# Altium PCB KlusterLab r2.0.PcbDoc (part 1 of 22) (continued)
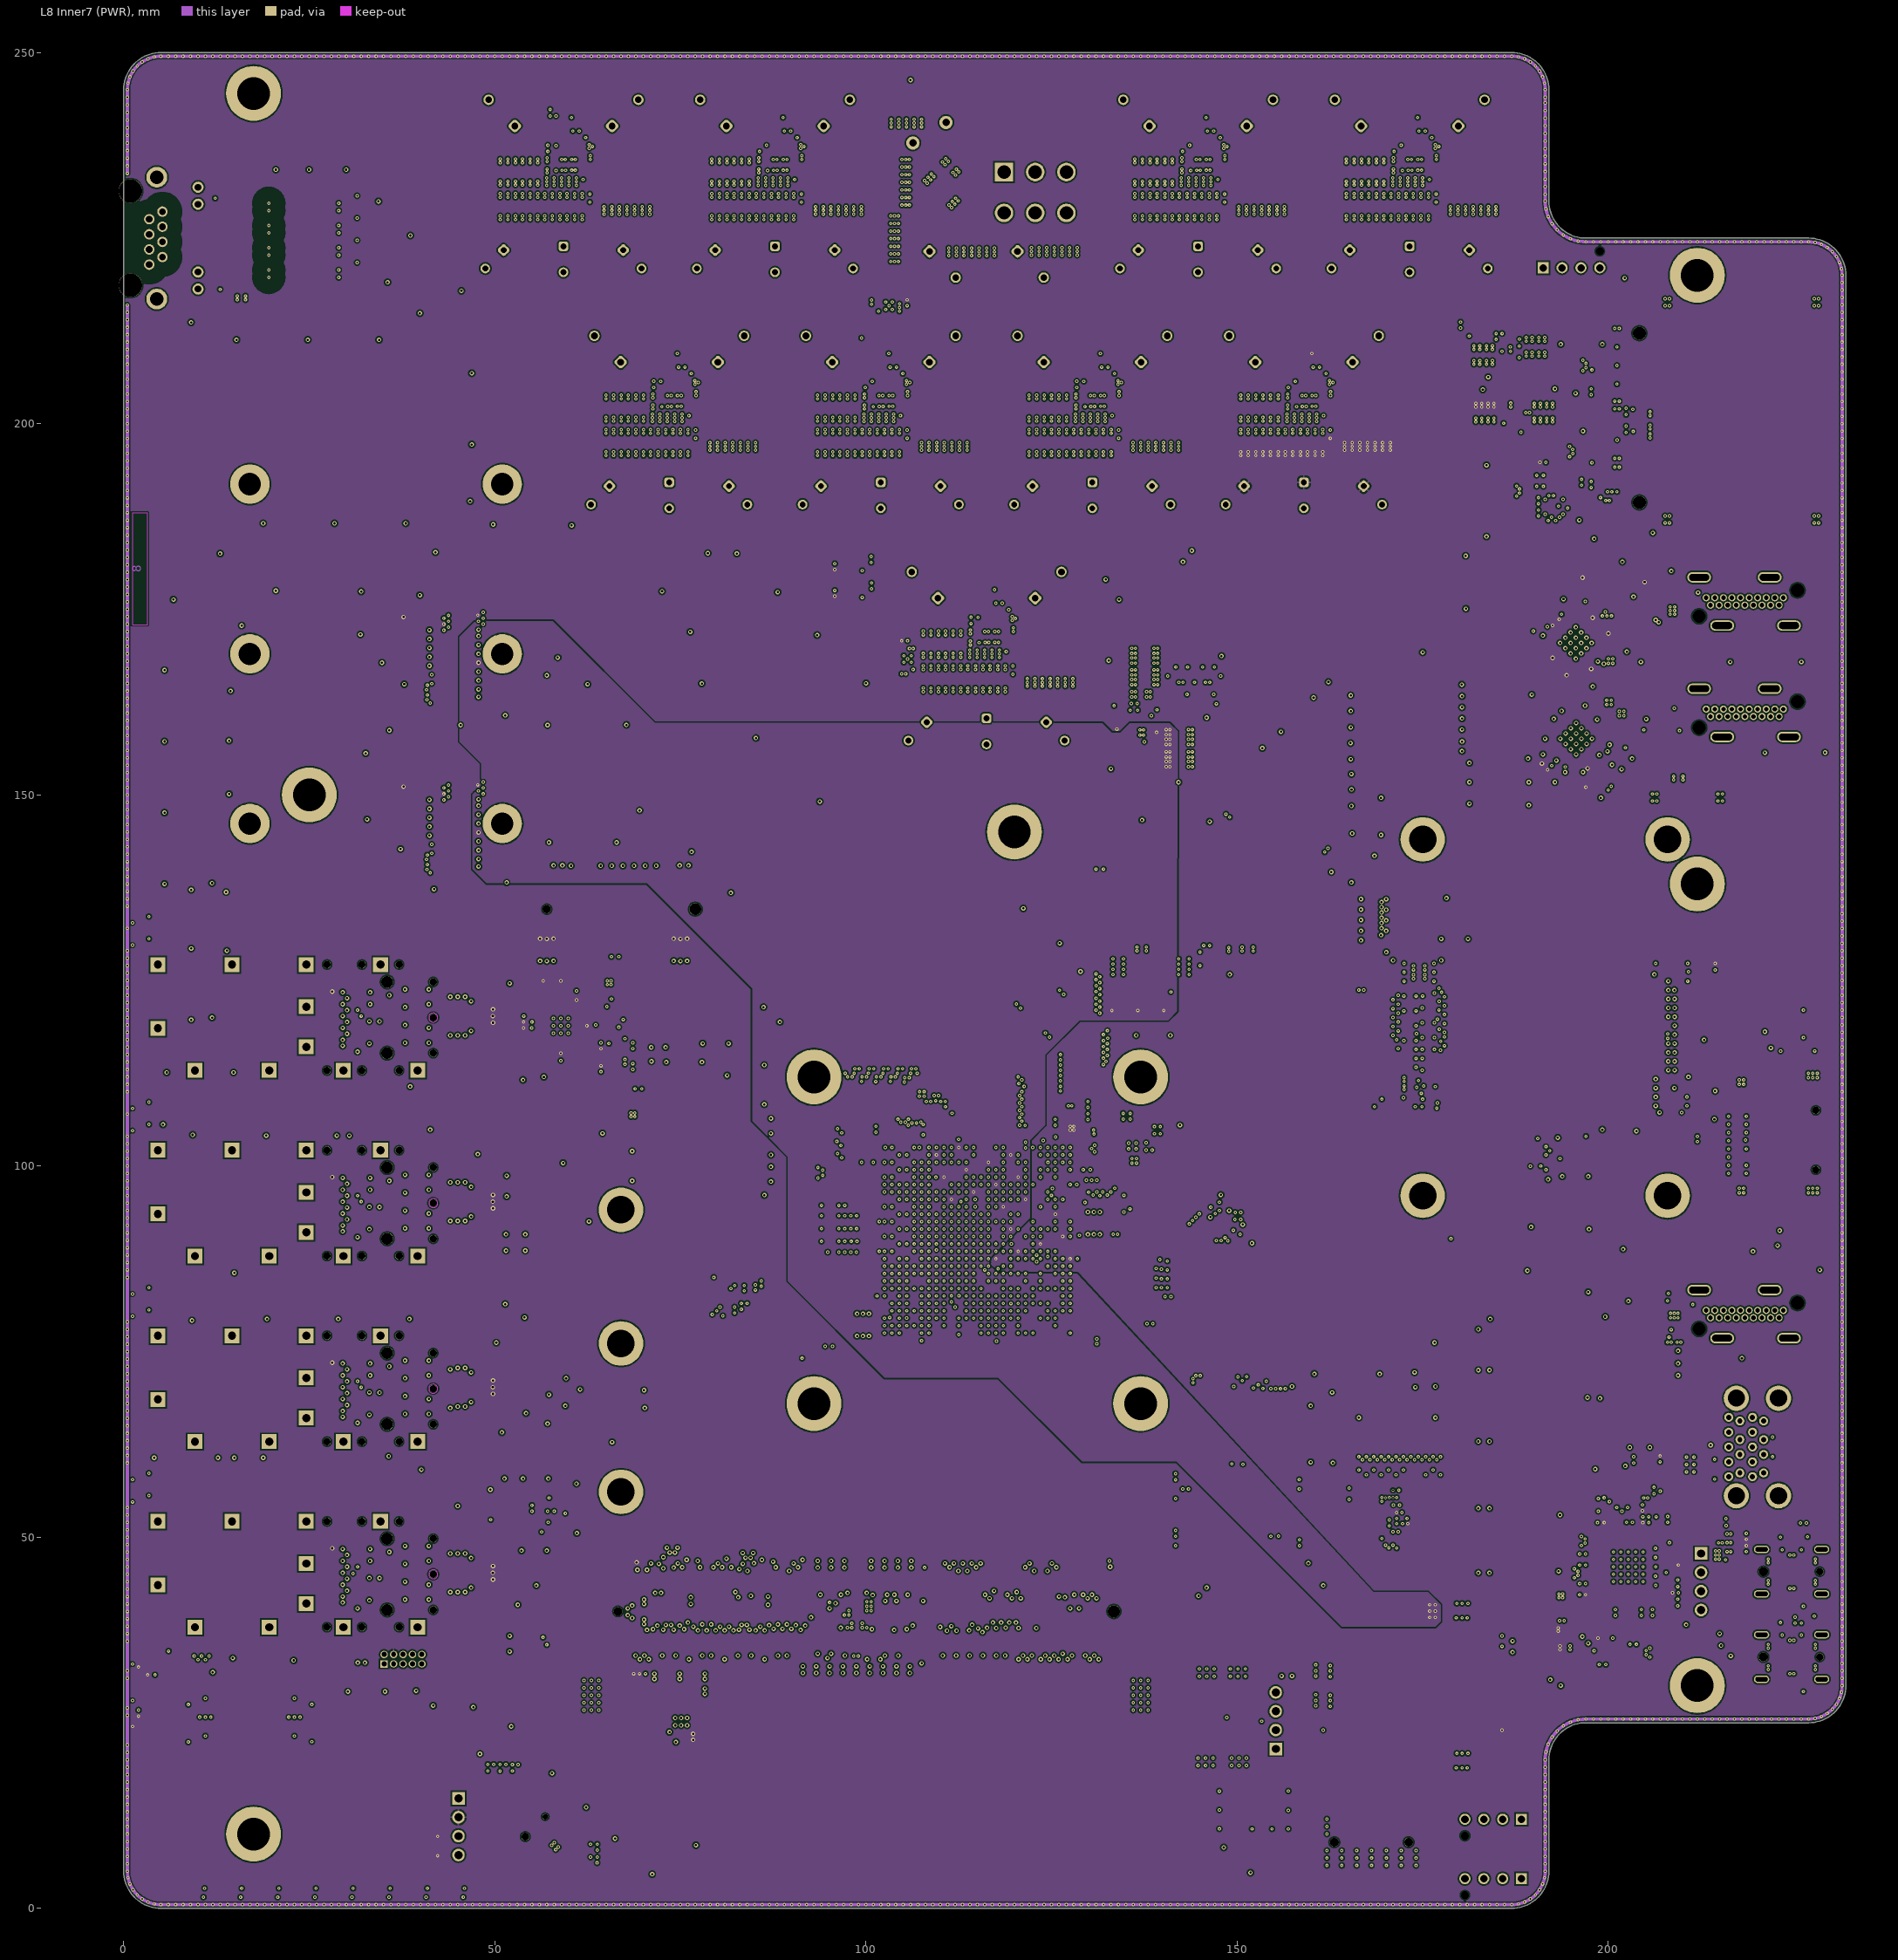
[diagram p8: L8 Inner7 (PWR)]
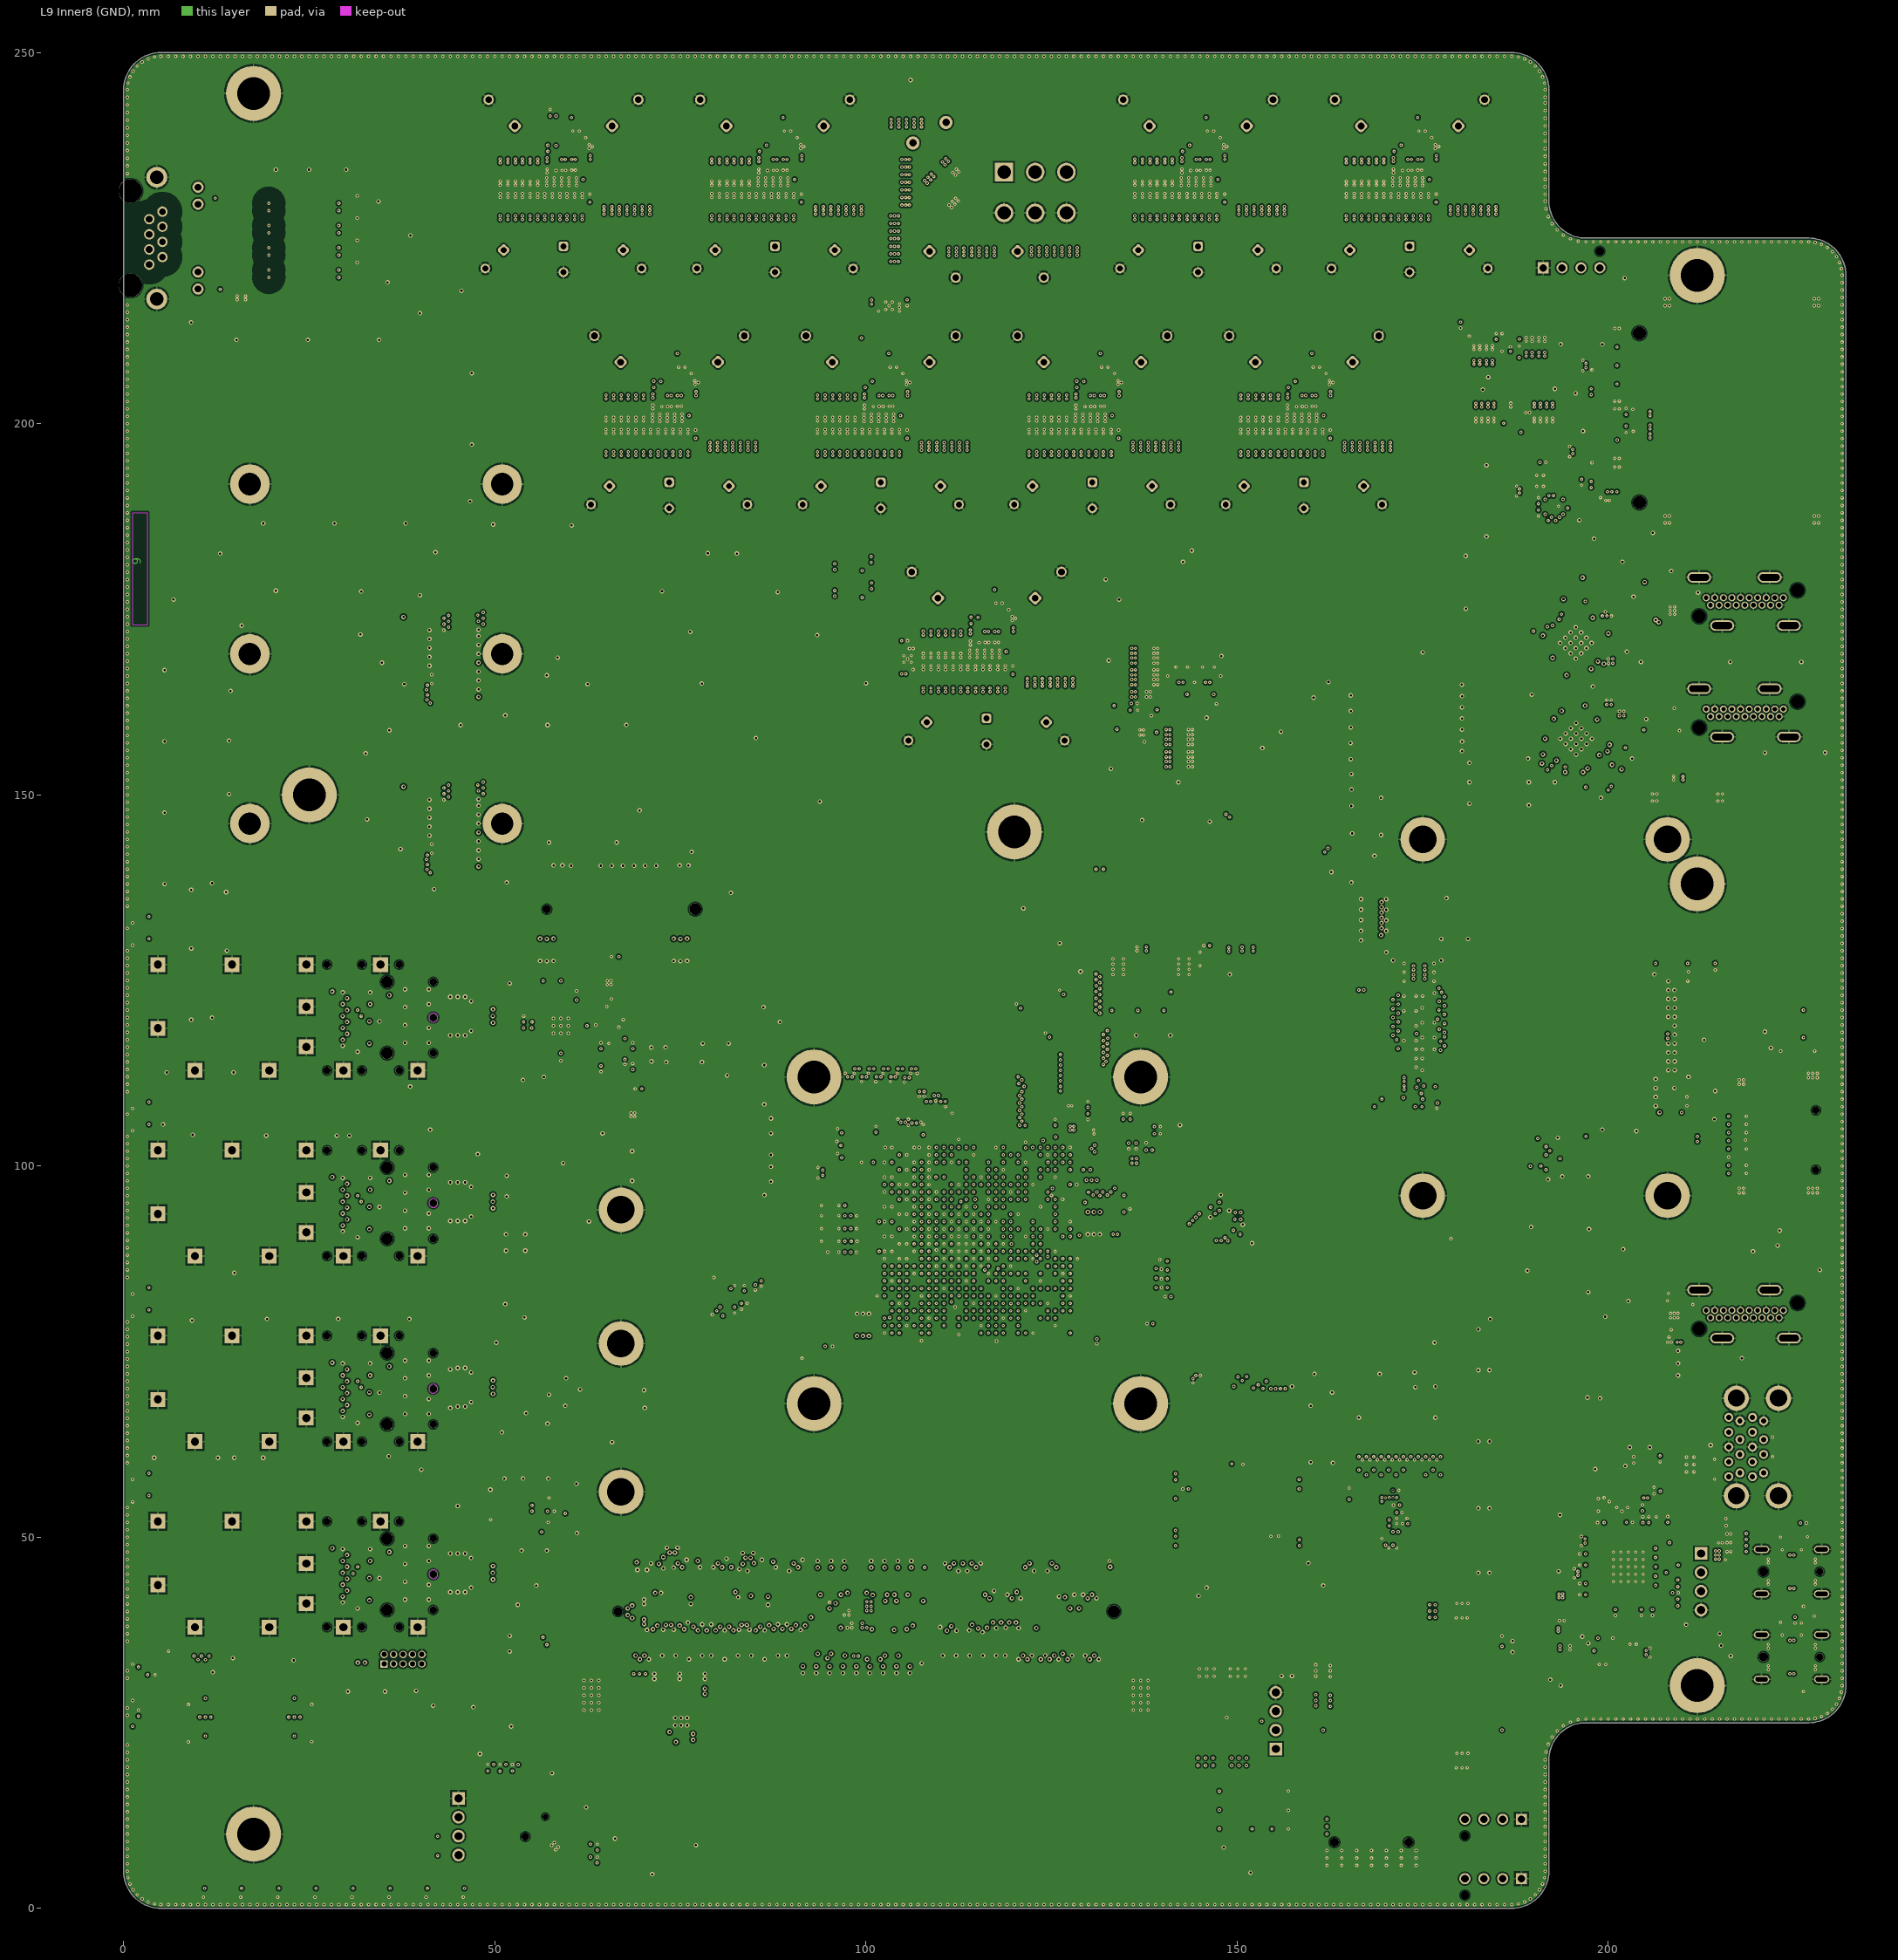
[diagram p9: L9 Inner8 (GND)]
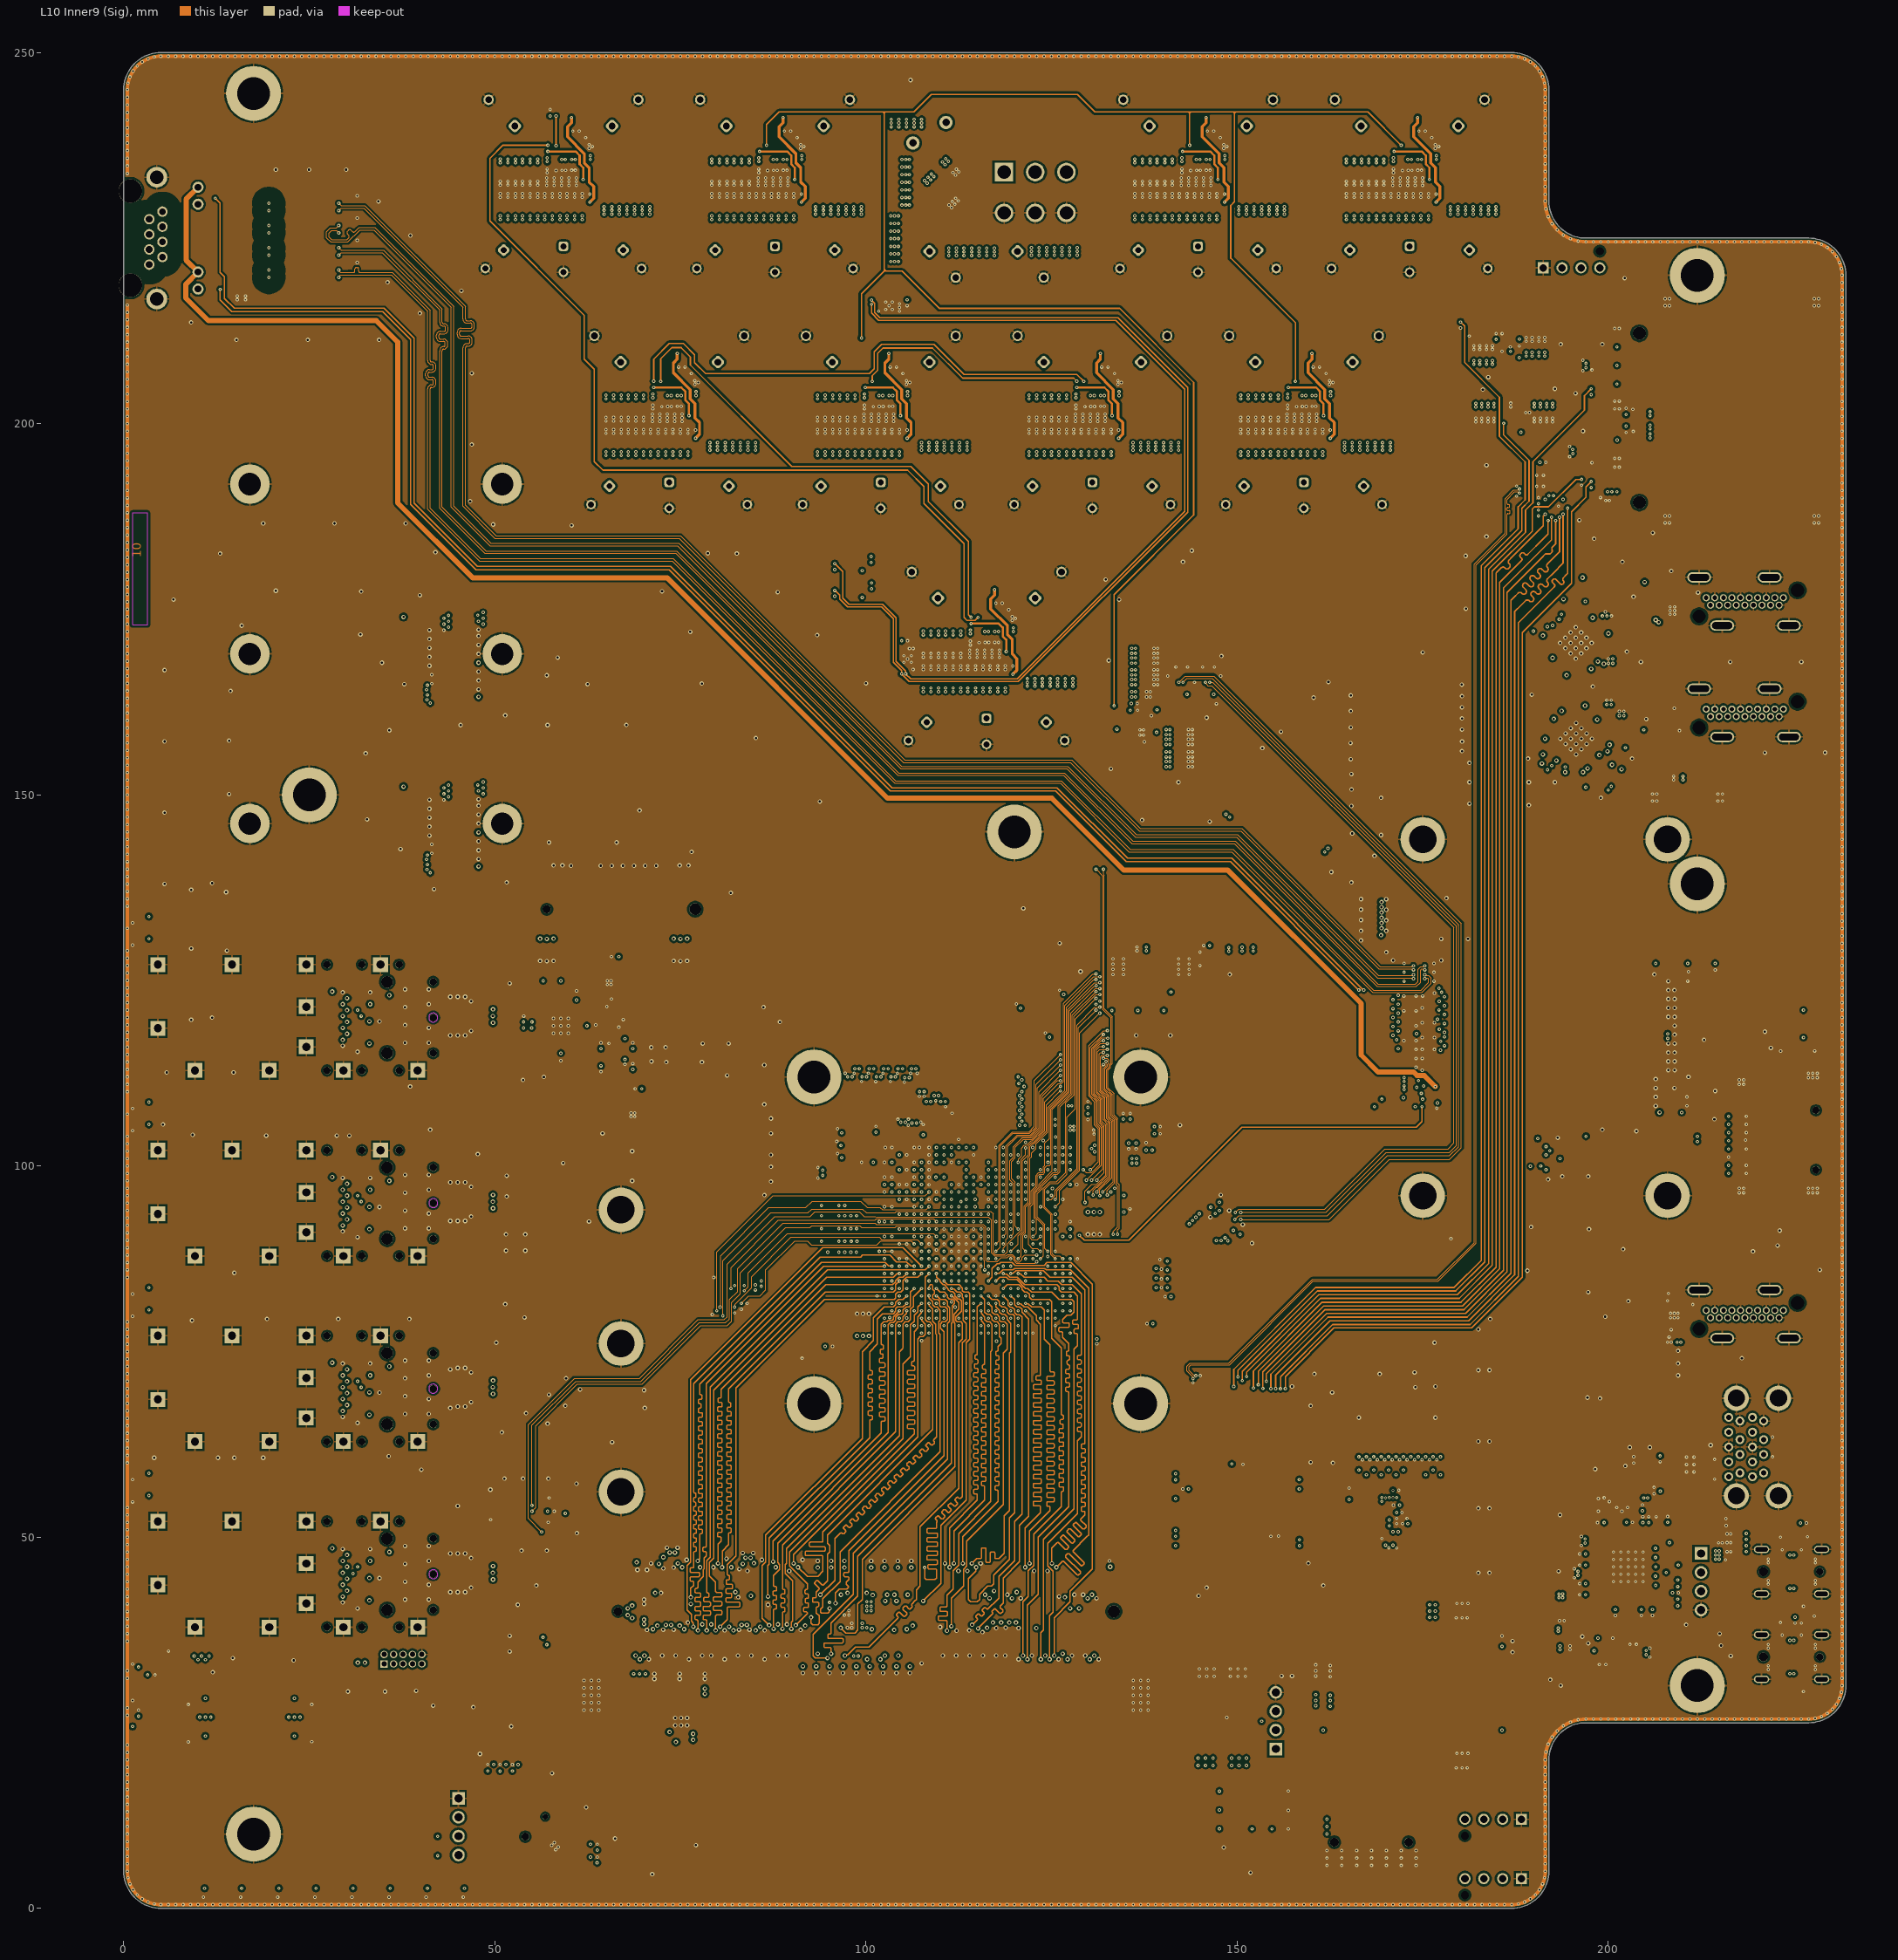
[diagram p10: L10 Inner9 (Sig)]